# Altium PCB 2008E_SablierElectronique_JJE.PcbDoc (part 1 of 2) (continued)
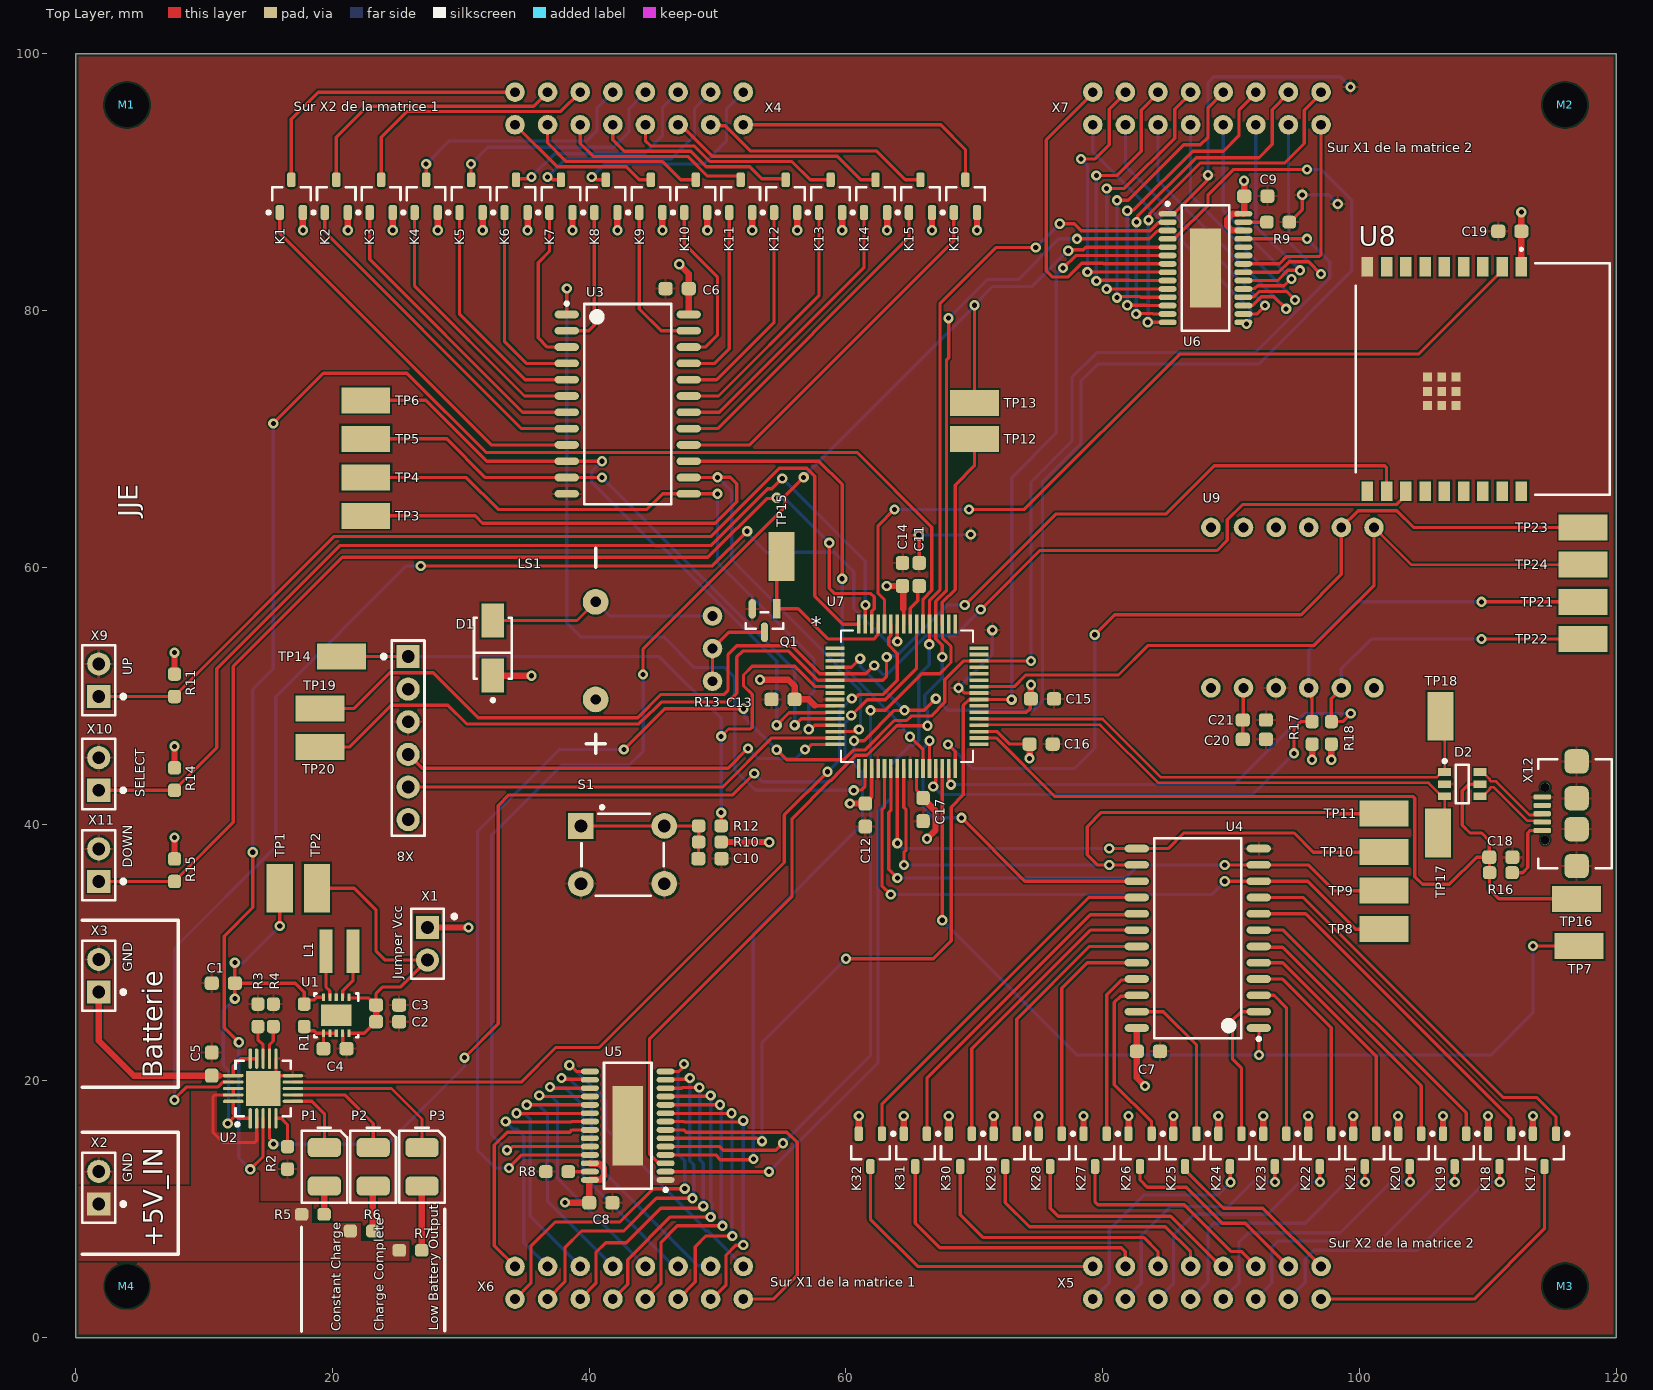
[diagram p0: Top Layer view]
## Footprints (in the part's own frame and the unit in brackets; to place one, negate y for a bottom-side part, rotate by r counter-clockwise, add the part's x,y. Pads: shape width x height; smd on the part's side, far side on the other; paste and mask are expansions set on the pad)
CAPC1608X08M [mm] "Chip Capacitor, 2-Leads, Body 1.60x0.80mm, IPC Low Density"
  rrect50% 1.1x1.05 smd: 1(-0.9,0) 2(0.9,0)
  body extent -0.85,-0.45 0.85,0.45, height 0.8
CMI-1295IC-0385T [mm] "12 mm, 3 Vdc, 85 dB, Through Hole, Driving Circuit, Magnetic Audio Indicator Buzzer"
  round 2 hole 0.8: 1(-3.8,0) 2(3.8,0)
  silkscreen extent -8,-0.75 8,0.75, body extent -6,-6 6,6, height 15
DRC0010J [mm] "TPS63000"
  rect 0.6x0.24 smd paste+0 mask+0.051: 1(-1.4,1) 2(-1.4,0.5) 3(-1.4,0) 4(-1.4,-0.5) 5(-1.4,-1) 6(1.4,-1) 7(1.4,-0.5) 8(1.4,0) 9(1.4,0.5) 10(1.4,1)
  rect 1.65x2.4 smd paste-1.187 mask+0.051: 11(0,0)
  silkscreen extent -1.7,-1.7 1.7,1.7, body extent -1.5,-1.5 1.5,1.5, height 1
ESP32_C3 [mm]
  rect 1.5x0.9 smd: 1(0,0) 2(0,-1.5) 3(0,-3) 4(0,-4.5) 5(0,-6) 6(0,-7.5) 7(0,-9) 8(0,-10.5) 9(0,-12) 10(17.5,-12) 11(17.5,-10.5) 12(17.5,-9) 13(17.5,-7.5) 14(17.5,-6) 15(17.5,-4.5) 16(17.5,-3) 17(17.5,-1.5) 18(17.5,0)
  rect 0.7x0.7 smd: 19(9.71,-6.2) 20(10.81,-6.2) 21(10.81,-5.1) 22(9.71,-5.1) 23(8.61,-5.1) 24(8.61,-6.2) 25(8.61,-7.3) 26(9.71,-7.3) 27(10.81,-7.3)
  silkscreen extent -1.45,-12.9 17.75,6.9
FP-318-08-IPC_B [mm]
  rect 1.524x0.578 smd paste+0 mask+0: 1(-0.91,0.95)
  rrect100% 1.524x0.578 smd paste+0 mask+0: 2(-0.91,-0.95) 3(0.91,0)
  silkscreen extent -0.65,-1.45 0.65,1.45, body extent -1.92,-1.7 1.92,1.7, height 0.25
FP-403AE-MFG [mm]
  rect 2.65x1.75 smd paste+0 mask+0: 1(-2.15,0) 2(2.15,0)
  silkscreen extent -2.37,-1.47 4.17,1.48, body extent -3.57,-1.58 3.57,1.58, height 0.25
IND_2.2UH [mm]
  rect 1x3.4 smd: 1(0,0) 2(2.1,0)
KEYSTONE_5019 [mm]
  rect 3.8x2.03 smd: 1(0,0)
  body extent -1.91,-1.01 1.91,1.01, height 2.29
LED-PLCC2 [mm]
  rrect50% 1.5x2.6 smd paste-100: 1(-1.5,0) 2(1.5,0)
  silkscreen extent -2.79,-1.78 3.05,1.78, body extent -1.75,-1.4 1.75,1.4, height 1.9
LIS3DH_KIT [mil]
  round 60 hole 30: 1(0,0) 2(0,-100) 3(0,-200) 4(0,-300) 5(0,-400) 6(0,-500) 7(492.13,-500) 8(492.13,-400) 9(492.13,-300) 10(492.13,-200) 11(492.13,-100) 12(492.13,0)
MECH-UHD340 [mm] "Unplated hole 3.4mm"
  round 0 hole 3.4 unplated: 1(0,0)
MOLEX_2X8 [mil]
  round 60 hole 30: 1(0,0) 2(100,0) 3(200,0) 4(300,0) 5(400,0) 6(500,0) 7(600,0) 8(700,0) 9(0,-100) 10(100,-100) 11(200,-100) 12(300,-100) 13(400,-100) 14(500,-100) 15(600,-100) 16(700,-100)
PIN-1x02-2.54 [mm] ".025 SQ Post Terminal Strip Assembly, 1x2 Pins, Vertical, 2.54mm Pitch, Male"
  rect 1.8x1.8 hole 1: 1(0,0)
  round 1.8 hole 1: 2(2.54,0)
  silkscreen extent -1.46,-1.27 4,2.25, body extent -1.27,-1.27 3.81,1.27, height 8.6
PIN-1x06-2.54 [mm] ".025 SQ Post Terminal Strip Assembly, 1x6 Pins, Vertical, 2.54mm Pitch, Male"
  rect 1.8x1.8 hole 1: 1(0,0)
  round 1.8 hole 1: 2(2.54,0) 3(5.08,0) 4(7.62,0) 5(10.16,0) 6(12.7,0)
  silkscreen extent -1.25,-2.05 13.97,1.27, body extent -1.27,-1.27 13.97,1.27, height 8.6
POT_200R [mil]
  round 60 hole 30: 1(0,0) 2(100,0) 3(200,0)
QFN50P400X400X100_HS-21N [mm] "MCP73871"
  oval 1.6x0.25 smd: 1(-2.325,1) 2(-2.325,0.5) 3(-2.325,0) 4(-2.325,-0.5) 5(-2.325,-1) 11(2.325,-1) 12(2.325,-0.5) 13(2.325,0) 14(2.325,0.5) 15(2.325,1)
  oval 0.25x1.6 smd: 6(-1,-2.325) 7(-0.5,-2.325) 8(0,-2.325) 9(0.5,-2.325) 10(1,-2.325) 16(1,2.325) 17(0.5,2.325) 18(0,2.325) 19(-0.5,2.325) 20(-1,2.325)
  rect 2.7x2.7 smd: EP(0,0)
  silkscreen extent -2.92,-2.15 2.15,2.15, body extent -2.01,-2.01 2.01,2.01, height 1
RESC1608X06M [mm] "Chip Resistor, 2-Leads, Body 1.60x0.80mm, IPC Low Density"
  rrect50% 1.05x1 smd: 1(-0.875,0) 2(0.875,0)
  body extent -0.85,-0.45 0.85,0.45, height 0.55
SOP127P1030X265-24N [mm] "74HC154"
  oval 1.9x0.6 smd: 1(-4.75,6.985) 2(-4.75,5.715) 3(-4.75,4.445) 4(-4.75,3.175) 5(-4.75,1.905) 6(-4.75,0.635) 7(-4.75,-0.635) 8(-4.75,-1.905) 9(-4.75,-3.175) 10(-4.75,-4.445) 11(-4.75,-5.715) 12(-4.75,-6.985) 13(4.75,-6.985) 14(4.75,-5.715) 15(4.75,-4.445) 16(4.75,-3.175) 17(4.75,-1.905) 18(4.75,-0.635) 19(4.75,0.635) 20(4.75,1.905) 21(4.75,3.175) 22(4.75,4.445) 23(4.75,5.715) 24(4.75,6.985)
  silkscreen extent -4.87,-7.8 3.4,7.96, body extent -5.15,-7.8 5.15,7.8, height 2.65
SOT90P240X110-3M [mm] "SOT23, 3-Leads, Body 2.90x2.40mm, Pitch 0.90mm, IPC Low Density"
  rrect50% 1.15x0.65 smd: 1(-1.275,0.9) 2(-1.275,-0.9) 3(1.275,0)
  silkscreen extent -1.4,-1.5 0.7,1.9, body extent -1.25,-1.5 1.25,1.5, height 1.1
SOT95P280X145-6N [mm] "SOT23, 6-Leads, Body 2.90x2.80mm, Pitch 0.95mm, IPC Medium Density"
  rect 1x0.6 smd: 1(-1.375,0.95) 2(-1.375,0) 3(-1.375,-0.95) 4(1.375,-0.95) 5(1.375,0) 6(1.375,0.95)
  silkscreen extent -1.5,-1.5 0.5,1.92, body extent -1.5,-1.5 1.5,1.5, height 1.45
TE_1825910-6 [mm] "Switch Tactile OFF (ON) SPST Round Button PC Pins 0.05A 24VDC 1.57N Thru-Hole Loose Piece"
  rect 2x2 hole 1 paste-2539.97 mask+0: 13(-3.25,2.25)
  round 2 hole 1 paste-2539.97 mask+0: 13(3.25,2.25) 14(-3.25,-2.25) 14(3.25,-2.25)
  silkscreen extent -3.2,-3.2 3.2,3.82, body extent -4.12,-3.24 4.12,3.24, height 0.25
TQFP64_10X10MC_MCH [mil]
  rect 58x11 smd paste+0 mask+0: 1(-221,147.64) 2(-221,127.95) 3(-221,108.27) 4(-221,88.58) 5(-221,68.9) 6(-221,49.21) 7(-221,29.53) 8(-221,9.84) 9(-221,-9.84) 10(-221,-29.53) 11(-221,-49.21) 12(-221,-68.9) 13(-221,-88.58) 14(-221,-108.27) 15(-221,-127.95) 16(-221,-147.64) 33(221,-147.64) 34(221,-127.95) 35(221,-108.27) 36(221,-88.58) 37(221,-68.9) 38(221,-49.21) 39(221,-29.53) 40(221,-9.84) 41(221,9.84) 42(221,29.53) 43(221,49.21) 44(221,68.9) 45(221,88.58) 46(221,108.27) 47(221,127.95) 48(221,147.64)
  rect 11x58 smd paste+0 mask+0: 17(-147.64,-221) 18(-127.95,-221) 19(-108.27,-221) 20(-88.58,-221) 21(-68.9,-221) 22(-49.21,-221) 23(-29.53,-221) 24(-9.84,-221) 25(9.84,-221) 26(29.53,-221) 27(49.21,-221) 28(68.9,-221) 29(88.58,-221) 30(108.27,-221) 31(127.95,-221) 32(147.64,-221) 49(147.64,221) 50(127.95,221) 51(108.27,221) 52(88.58,221) 53(68.9,221) 54(49.21,221) 55(29.53,221) 56(9.84,221) 57(-9.84,221) 58(-29.53,221) 59(-49.21,221) 60(-68.9,221) 61(-88.58,221) 62(-108.27,221) 63(-127.95,221) 64(-147.64,221)
  silkscreen extent -202,-202 202,202, body extent -236,-236 236,236, height 47
TSOP65P640X120_HS-29N [mm] "TLC5940"
  oval 1.4x0.45 smd: 1(-2.95,4.225) 2(-2.95,3.575) 3(-2.95,2.925) 4(-2.95,2.275) 5(-2.95,1.625) 6(-2.95,0.975) 7(-2.95,0.325) 8(-2.95,-0.325) 9(-2.95,-0.975) 10(-2.95,-1.625) 11(-2.95,-2.275) 12(-2.95,-2.925) 13(-2.95,-3.575) 14(-2.95,-4.225) 15(2.95,-4.225) 16(2.95,-3.575) 17(2.95,-2.925) 18(2.95,-2.275) 19(2.95,-1.625) 20(2.95,-0.975) 21(2.95,-0.325) 22(2.95,0.325) 23(2.95,0.975) 24(2.95,1.625) 25(2.95,2.275) 26(2.95,2.925) 27(2.95,3.575) 28(2.95,4.225)
  rect 2.4x6.17 smd: 29(0,0)
  silkscreen extent -3.08,-4.9 1.85,5.12, body extent -3.2,-4.9 3.2,4.9, height 1.2
WE_629105136821 [mm] "USB MICRO B Receptacle"
  round 0.7 hole 0.7 unplated: 0(-2.057,2.45) 0(2.057,2.45)
  rrect50% 0.4x1.35 smd: 1(-1.3,2.675) 2(-0.65,2.675) 3(0,2.675) 4(0.65,2.675) 5(1.3,2.675)
  rrect50% 1.9x1.9 smd paste-0.2: 6(4.075,0) 7(1.2,0) 8(-1.2,0) 9(-4.075,0)
  silkscreen extent -4.25,-2.75 4.25,3, body extent -4,-2.75 4,3.15, height 2.7

## Part data
C1 C2 C3 C11 C20: library part CMP-065-000003-2, "CAPC 10uF X5R 10V 20% 1608 (0603 INCH)", Dielectric=X5R, Manufacturer=TDK, Manufacturer Number=C1608X5R1A106M080AC, Supplier Part Number 1="FAB.0603_C 10uF", TemperatureRange="-55°C to +85°C", Tolerance=±20%, Voltage=10V, Category=Passives, IsStocked=1, PN=PN-131657, SubCategory="Condensateurs ceramique", Supplier 1=ETML, Supplier Price 1=0.0944
C4 C6 C7 C8 C9 C10 C12 C13 C14 C15 C16 C17 C18 C19 C21: library part CMP-065-000000-2, "CAPC 100nF X7R 50V 10% 1608 (0603 INCH)", Current=NULL, Dielectric=X7R, Manufacturer=TDK, Manufacturer Number=CGA3E2X7R1H104K080AA, Supplier Part Number 1="FAB.0603_C 100n", TemperatureRange="-55°C to +125°C", Tolerance=±10%, Voltage=50V, Category=Passives, IsStocked=1, PN=PN-338083, Power=NULL, SubCategory="Condensateurs ceramique", Supplier 1=ETML, Supplier Price 1=0.0100, TemperatureCoeff=NULL
C5: library part CMP-065-000006-2, "CAPC 4.7uF X5R 16V 10% 1608 (0603 INCH)", Dielectric=X5R, Manufacturer=TDK, Manufacturer Number=C1608X5R1C475K080AC, Supplier Part Number 1="FAB.0603_C 4.7uF", TemperatureRange="-55°C to +85°C", Tolerance=±10%, Voltage=16V, Category=Passives, IsStocked=1, PN=PN-938781, SubCategory="Condensateurs ceramique", Supplier 1=ETML, Supplier Price 1=0.0453
D1: library part CMP-2000-04943-2, "DIODE SCHOTTKY 40V 1A SMA", Forward Current=1A, Manufacturer="ON Semiconductor", Max Junction Temp=+125°C, Max Repetitive Reverse Voltage=40V, Max Surge Forward Current=40A, Package=403AE, Peak Reverse Current=0.2mA, Temperature="-65°C to +125°C", Temperature Range Low=-65°C, Automotive=No, Category=Diode, ComponentLink2Description=Datasheet, ComponentLink2URL=https://www.onsemi.com/pub/Collateral/SS19-D.PDF, Device Class L1="Discrete Semiconductors", Device Class L2=Diodes, Device Class L3="Schottky Diodes", Digikey Description="DIODE SCHOTTKY 40V 1A SMA", Height=2.5mm, Lead Free=Yes, Manufacturer Part Number=SS14, Mouser Description="Schottky Diodes & Rectifiers SMA 40V 1.0A", Octopart=https://octopart.com/ss14-on+semiconductor-29205033, RoHS=TRUE, Standoff Height=0.05mm, Temperature Range High=+125°C
D2: Supplier Part Number 1=511-USBLC6-2P6, Supplier 1=Mouser
K1 K2 K3 K4 K5 K6 K7 K8 K9 K10 K11 K12 K13 K14 K15 K16 K17 K18 K19 K20 K21 K22 K23 K24 K25 K26 K27 K28 K29 K30 K31 K32: library part CMP-056-000002-3, "TRAN DMG2307L P-Channel Enhancement MOSFET 30V 2.5A", Current=2.5A, Manufacturer="Diodes Incorporated", Power=760mW, Supplier Part Number 1=2061518, TemperatureRange="-55°C to +150°C", Voltage=30V, Category=DiscreteSemiconductors, IsStocked=0, Manufacturer Number=DMG2307L, PN=PN-317407, SubCategory=Transistors, Supplier 1=Farnell, Supplier Price 1=0.1060
LS1: "12 mm, 3 Vdc, 85 dB, Through Hole, Driving Circuit, Magnetic Audio Indicator Buzzer", Supplier Part Number 1=490-CMI-1295IC-0385T, Supplier 1=Mouser
M1 M2 M3 M4: library part CMP-063-000009-1, "Unplated Hole 3.4mm", Category=Others, IsStocked=False, PN=PN-491366, SubCategory=Mecaniques
P1 P2 P3: library part CMP-062-000009-1, "LED 2 mA 2.2V 625nm Red PLCC2", Current=2mA, Manufacturer=Vishay, Manufacturer Number=VLMT3100-GS08, Supplier Part Number 1=2251489, TemperatureRange="-40°C to +100°C", Voltage=2.2V, Category=Optoelectronics, IsStocked=True, PN=PN-800195, SubCategory=Leds, Supplier 1=Farnell, Supplier Price 1=0.179
Q1: library part CMP-07173-000101-1, "MOSFET N-CH 50V 220MA SOT-23", Case/Package=SOT-23, Continuous Drain Current (ID)=220mA, Drain to Source Breakdown Voltage=50V, Drain to Source Resistance=3.5R, Gate to Source Voltage (Vgs)=20V, Input Capacitance=27pF, Max Operating Temperature=150°C, Max Power Dissipation=360mW, Min Operating Temperature=-55°C, On-State Resistance=6R, Package Quantity=1, Threshold Voltage=1.3V, Contact Plating=Tin, Current Rating=220mA, Drain to Source Voltage (Vdss)=50V, Dual Supply Voltage=50V, Element Configuration=Single, Fall Time=9ns, Height=0.93mm, Lead Free="Lead Free", Length=2.92mm, Mount="Surface Mount", Nominal Vgs=1.3V, Number of Elements=1, Number of Pins=3, Packaging="Tape and Reel", Power Dissipation=360mW, Radiation Hardening=No, Rds On Max=3.5R, REACH SVHC="No SVHC", Rise Time=9ns, Termination=SMD/SMT, Turn-Off Delay Time=20ns, Turn-On Delay Time=2.5ns, Voltage Rating (DC)=50V, Weight=0.03g, Width=1.3mm
R1: library part CMP-066-000100-2, "RES 100ohm  ±1% 0.1W  1608 (0603 INCH)", Manufacturer=Yageo, Manufacturer Number=RC0603FR-07100RL, Power=0.1W, Supplier Part Number 1="FAB.0603_R 100R", TemperatureCoeff=±100ppm/°C, TemperatureRange="-55°C to 155°C", Tolerance=±1%, Voltage=75V, Category=Passives, IsStocked=1, PN=PN-739787, SubCategory="Resistances couche epaisse", Supplier 1=ETML, Supplier Price 1=0.0200
R2 R10 R11 R14 R15 R17 R18: library part CMP-066-000124-2, "RES 10kohm  ±1% 0.1W  1608 (0603 INCH)", Manufacturer=Yageo, Manufacturer Number=RC0603FR-0710KL, Power=0.1W, Supplier Part Number 1="FAB.0603_R 10k", TemperatureCoeff=±100ppm/°C, TemperatureRange="-55°C to 155°C", Tolerance=±1%, Voltage=75V, Category=Passives, IsStocked=1, PN=PN-896786, SubCategory="Resistances couche epaisse", Supplier 1=ETML, Supplier Price 1=0.0200
R3 R8 R9: library part CMP-066-000116-2, "RES 2.2kohm  ±1% 0.1W  1608 (0603 INCH)", Manufacturer=Yageo, Manufacturer Number=RC0603FR-072K2L, Power=0.1W, Supplier Part Number 1="FAB.0603_R 2k2", TemperatureCoeff=±100ppm/°C, TemperatureRange="-55°C to 155°C", Tolerance=±1%, Voltage=75V, Category=Passives, IsStocked=1, PN=PN-844453, SubCategory="Resistances couche epaisse", Supplier 1=ETML, Supplier Price 1=0.0200
R4: library part CMP-066-000125-2, "RES 12kohm  ±1% 0.1W  1608 (0603 INCH)", Manufacturer=Yageo, Manufacturer Number=RC0603FR-0712KL, Power=0.1W, Supplier Part Number 1="FAB.0603_R 12k", TemperatureCoeff=±100ppm/°C, TemperatureRange="-55°C to 155°C", Tolerance=±1%, Voltage=75V, Category=Passives, IsStocked=1, PN=PN-565828, SubCategory="Resistances couche epaisse", Supplier 1=ETML, Supplier Price 1=0.0200
R5 R6 R7: library part CMP-066-000108-2, "RES 470ohm  ±1% 0.1W  1608 (0603 INCH)", Manufacturer=Yageo, Manufacturer Number=RC0603FR-07470RL, Power=0.1W, Supplier Part Number 1="FAB.0603_R 470R", TemperatureCoeff=±100ppm/°C, TemperatureRange="-55°C to 155°C", Tolerance=±1%, Voltage=75V, Category=Passives, IsStocked=1, PN=PN-792120, SubCategory="Resistances couche epaisse", Supplier 1=ETML, Supplier Price 1=0.0200
R12 R16: library part CMP-066-000112-2, "RES 1.0kohm  ±1% 0.1W  1608 (0603 INCH)", Manufacturer=Yageo, Manufacturer Number=RC0603FR-071KL, Power=0.1W, Supplier Part Number 1="FAB.0603_R 1k", TemperatureCoeff=±100ppm/°C, TemperatureRange="-55°C to 155°C", Tolerance=±1%, Voltage=75V, Category=Passives, IsStocked=1, PN=PN-368287, SubCategory="Resistances couche epaisse", Supplier 1=ETML, Supplier Price 1=0.0100
R13: library part Pot_200R
S1: library part CMP-058-000005-2, "SW 600X600X500 24V 50mA THT", Current=50mA, Manufacturer="TE Connectivity", Manufacturer Number=1825910-6, Supplier Part Number 1=135-66-547, TemperatureRange="-35°C to +85 °C", Voltage=24V, Category=Electromechanical, IsStocked=True, PN=PN-638027, SubCategory=Commutateurs, Supplier 1="Distrelec AG", Supplier Price 1=0.1642
TP7: library part TestPoint
U1: Supplier Part Number 1=296-32517-1-ND, Supplier 1=DigiKey
U3 U4: Supplier Part Number 1=296-24352-1-ND, Supplier 1=DigiKey
X1 X2 X3 X9 X10 X11: library part CMP-055-000006-1, "PIN HEADER 2.54 1x02", Current=3A, Manufacturer="Würth Electronik", Manufacturer Number=61300211121, Supplier Part Number 1=MAG.283.897, TemperatureRange="-40°C to +105°C", Voltage=250V, Category=Connectors, IsStocked=True, PN=PN-573903, SubCategory="Pin Header", Supplier 1=ETML, Supplier Price 1=0.04
X4 X5 X6 X7: library part "Mâle DIN 8 x 8"
X8: library part CMP-055-000011-1, "PIN HEADER 2.54 1x06", Current=3A, Manufacturer="Würth Electronik", Manufacturer Number=61300411121, Supplier Part Number 1=MAG.283.897, TemperatureRange="-40°C to +105°C", Voltage=250V, Category=Connectors, IsStocked=True, PN=PN-823777, SubCategory="Pin Header", Supplier 1=ETML, Supplier Price 1=1.2
X12: library part CMP-054-000011-1, "USB MICRO 5P Horizontal SMT", Manufacturer="Würth Electronik", Supplier Part Number 1=MAG.246.110, TemperatureRange="-40°C to +85°C", Category=Connectors, IsStocked=True, Manufacturer Number=629105136821, PN=PN-869488, SubCategory=USB, Supplier 1=ETML, Supplier Price 1=1.48

## Via types
v1: diameter 0.8, hole 0.4, Top Layer to Bottom Layer, 209 vias

## Nets (pads, with @x,y where several pads share a name; then routed paths per layer and width w, separated by ;. In a path a pad name is that pad's centre, name@x,y a point inside that pad or via, vN(x,y) a via of type N, cw(c..) or ccw(c..) an arc to the next point about the centre after c; other vN are vias at no path point)
+5V: R5.1 R6.1 R7.1 U2.2 U2.18 U2.19 X2.1 | length 10.4
  Top Layer w0.254: U2.18@12.275,19.4 U2.19@12.275,18.9 12.273,18.898 10.849,18.898 10.7,18.749 10.7,16 11.5,15.2 13.951,15.2 14.1,15.349 U2.2@14.1,17.075
AL1: TP6.1 U3.10 U7.11 | length 52.4
  Top Layer w0.254: TP6.1@22.6,73 27.275,73 32.02,68.255 U3.10@38.25,68.255 v1(41,68.255) ; v1(54.6,47.7) 55.561,48.661 58.422,48.661 58.448,48.687 59.124,48.687 U7.11@59.137,48.7
  Bottom Layer w0.254: v1(41,68.255) 40.2,67.455 40.2,66.6 45.185,61.615 45.655,61.615 54.6,52.671 v1(54.6,47.7)
AL2: TP5.1 U3.11 U7.12 | length 48.5
  Top Layer w0.254: TP5.1@22.6,70 28.9,70 31.915,66.985 U3.11@38.25,66.985 v1(41,66.985) ; v1(56,47.7) 56.5,48.2 U7.12@59.137,48.2
  Bottom Layer w0.254: v1(41,66.985) 56,51.985 v1(56,47.7)
AL3: TP4.1 U3.13 U7.13 | length 52.7
  Top Layer w0.254: TP4.1@22.6,66.985 30.43,66.985 32.915,64.5 44.5,64.5 45.715,65.715 U3.13@47.75,65.715 v1(49.985,65.715) ; v1(57.095,47.378) 57.243,47.378 57.565,47.7 U7.13@59.137,47.7
  Bottom Layer w0.254: v1(49.985,65.715) 49.985,60.391 57.5,52.876 57.5,50.312 57.095,49.907 v1(57.095,47.378)
AL4: TP3.1 U3.14 U7.14 | length 61.4
  Top Layer w0.254: TP3.1@22.6,64 31.115,64 31.688,63.427 49.827,63.427 51.5,65.1 51.5,66.5 51,67 v1(50,67) 49.985,66.985 U3.14@47.75,66.985 ; U7.14@59.137,47.2 60.699,47.2 60.852,47.353 v1(61,47.353)
  Bottom Layer w0.254: v1(50,67) 51.1,65.9 51.1,60.6 59.295,52.405 59.295,52.181 61.136,50.341 61.136,47.775 61.104,47.744 61.104,47.458 v1(61,47.353)
BL1: TP8.1 U4.10 U7.21 | length 50.6
  Top Layer w0.254: U7.21@63,44.337 63,41.322 62.8,41.122 62.8,35.2 v1(63.488,34.512) ; v1(89.5,35.545) U4.10@92.15,35.545 95.955,35.545 99.69,31.81 TP8.1@101.9,31.81
  Bottom Layer w0.254: v1(63.488,34.512) 88.512,34.512 89.5,35.5 v1(89.5,35.545)
BL2: TP9.1 U4.11 U7.22 | length 48
  Top Layer w0.254: U7.22@63.5,44.337 63.5,41.062 63.322,40.884 63.322,36.478 v1(64,35.8) ; v1(89.5,36.815) U4.11@92.15,36.815 96,36.815 98.01,34.805 TP9.1@101.9,34.805
  Bottom Layer w0.254: v1(64,35.8) 81.8,35.8 82.815,36.815 v1(89.5,36.815)
BL3: TP10.1 U4.13 U7.23 | length 45
  Top Layer w0.254: v1(64,38.5) U7.23@64,44.337 ; v1(80.5,38.085) U4.13@82.65,38.085 85.085,38.085 86.3,39.3 94.9,39.3 96.395,37.805 TP10.1@101.9,37.805
  Bottom Layer w0.254: v1(64,38.5) 64.415,38.085 v1(80.5,38.085)
BL4: TP11.1 U4.14 U7.24 | length 53.6
  Top Layer w0.254: U7.24@64.5,44.337 64.5,41.3 64.678,41.122 64.678,37.953 64.515,37.79 v1(64.515,36.815) ; U4.14@82.65,36.815 v1(80.5,36.815) 79.585,36.815 78.795,37.605 78.795,39.797 79.898,40.9 97.437,40.9 97.532,40.805 TP11.1@101.9,40.805
  Bottom Layer w0.254: v1(64.515,36.815) v1(80.5,36.815)
BLANK_TLC: U5.2 U6.2 U7.53 | length 102.1
  Top Layer w0.254: U5.2@45.95,12.925 v1(54,12.925) ; v1(66.489,53.991) 66.494,53.996 66.494,55.558 U7.53@66.5,55.563 66.5,57.405 67.312,58.217 67.312,80.529 71.676,84.892 v1(74.776,84.892) ; v1(76.648,86.748) 77.774,86.748 78.325,86.197 83.689,86.197 84.329,86.837 85.013,86.837 U6.2@85.05,86.875
  Bottom Layer w0.254: v1(54,12.925) 62.5,21.425 62.5,41.029 63.488,42.017 63.488,44.608 64.997,46.117 65.266,46.117 65.663,46.514 65.663,51.58 66.489,52.405 v1(66.489,53.991) ; v1(74.776,84.892) 74.784,84.892 76.64,86.748 v1(76.648,86.748)
Buzzer: Q1.1 TP15.1 U7.61 | length 14.1
  Top Layer w0.254: TP15.1@54.975,60.843 54.6,60.468 Q1.1@54.6,56.76 56.271,56.76 58.631,54.4 62.151,54.4 62.487,54.736 62.487,55.551 U7.61@62.5,55.563
CS_Accel: TP24.1 U7.42 U9.1 | length 56
  Top Layer w0.2: U9.1@101.12,63.1 104.02,60.2 TP24.1@117.4,60.2
  Top Layer w0.254: U7.42@70.363,50.7 73.1,50.7 74.004,51.604 81.222,51.604 83.526,53.908 96.476,53.908 101.12,58.552 U9.1@101.12,63.1
DOWN: R15.1 U7.62 X11.1 | length 87.4
  Top Layer w0.254: X11.1@1.8,35.525 R15.1@7.7,35.525 7.7,35.55 12.273,40.123 12.273,52.273 20.778,60.778 49.248,60.778 53.819,65.349 54.546,65.349 v1(54.6,65.403) ; v1(58.7,61.899) 58.7,58.373 59.124,57.949 61.93,57.949 62.194,57.685 62.194,56.77 62,56.576 U7.62@62,55.563
  Bottom Layer w0.254: v1(54.6,65.403) 54.704,65.298 55.3,65.298 v1(58.7,61.899)
GND: C1.1 C2.1 C3.1 C4.1 C5.1 C6.1 C7.1 C8.1 C9.1 C10.1 C11.1 C12.1 C13.1 C14.1 C15.1 C16.1 C17.1 C18.2 C19.1 C20.2 C21.2 D2.2 Q1.2 R2.1 R3.1 R4.1 R8.1 R9.1 S1.14 U1.3 U1.9 U2.10 U2.11 U2.EP U3.12 U4.12 U5.1 U5.29 U6.1 U6.29 U7.9 U7.20 U7.25 U7.41 U8.9 U8.19 U8.20 U8.21 U8.22 U8.23 U8.24 U8.25 U8.26 U8.27 U9.9 X2.2 X3.2 X8.3 X9.2 X10.2 X11.2 X12.5 X12.6 X12.7 X12.8 X12.9 | length 46.6
  Top Layer w0.254: U2.11@15.6,21.725 15.6,20.4 U2.10@16.925,20.4 ; U1.9@20.8,23.7 20.807,23.693 20.807,22.793 C4.1@21.1,22.5 ; v1(65.663,62.488) 65.7,62.451 C11.1@65.7,60.335 ; v1(68.765,50.6) 68.846,50.6 69.246,50.2 U7.41@70.363,50.2 ; U6.1@85.05,87.525 85.525,87.525 88.096,90.096 88.096,90.429 v1(88.2,90.534) ; R9.1@94.533,86.875 94.558,86.875 95.54,87.857 v1(95.54,89)
  Bottom Layer w0.254: v1(65.663,62.488) 65.689,62.514 69.691,62.514 v1(69.717,62.539) ; v1(68.765,50.6) 71.4,53.235 v1(71.4,55.1) ; v1(88.2,90.534) 88.2,97.751 88.649,98.2 98.5,98.2 v1(99.3,97.4) ; v1(95.54,89) 97.59,89 v1(98.3,88.29)
GSCLK_TLC: U5.25 U6.25 U7.46 | length 143.3
  Top Layer w0.254: v1(33.747,13.213) 34.759,14.225 U5.25@40.05,14.225 ; v1(42.7,45.796) 45.882,48.978 v1(52.013,48.978) ; v1(54.6,45.78) 55.38,45 59.821,45 60.577,45.756 61.467,45.756 63.771,48.06 64.72,48.06 65.07,48.409 66.625,48.409 67.69,49.474 67.69,51.244 69.132,52.687 70.351,52.687 U7.46@70.363,52.7 v1(74.41,52.7) ; U6.25@90.95,85.575 v1(95.897,85.575)
  Bottom Layer w0.254: v1(33.747,13.213) 32.687,13.213 31.3,14.6 31.3,39.446 37.65,45.796 v1(42.7,45.796) ; v1(52.013,48.978) 52.117,48.874 52.117,48.316 52.363,48.07 52.363,48.017 v1(54.6,45.78) ; v1(74.41,52.7) 74.41,66.619 77.6,69.809 77.6,74.8 79.519,76.719 91.856,76.719 97.671,82.534 97.671,83.801 v1(95.897,85.575)
InAL0: K1.1 U3.9 | length 30.8
  Top Layer w0.254: K1.1@15.9,87.625 15.9,85.994 32.369,69.525 U3.9@38.25,69.525
InAL1: K2.1 U3.8 | length 26.7
  Top Layer w0.254: K2.1@19.4,87.625 19.4,86.121 34.726,70.795 U3.8@38.25,70.795
InAL2: K3.1 U3.7 | length 23.9
  Top Layer w0.254: K3.1@22.9,87.625 22.9,83.969 34.804,72.065 U3.7@38.25,72.065
InAL3: K4.1 U3.6 | length 21.1
  Top Layer w0.254: K4.1@26.4,87.625 26.4,81.894 34.959,73.335 U3.6@38.25,73.335
InAL4: K5.1 U3.5 | length 18.4
  Top Layer w0.254: K5.1@29.9,87.625 29.9,79.707 35.002,74.605 U3.5@38.25,74.605
InAL5: K6.1 U3.4 | length 15.6
  Top Layer w0.254: K6.1@33.4,87.625 33.4,77.585 35.11,75.875 U3.4@38.25,75.875
InAL6: K7.1 U3.3 | length 12.6
  Top Layer w0.254: K7.1@36.9,87.625 36.9,84.591 36.029,83.72 36.029,77.862 36.747,77.145 U3.3@38.25,77.145
InAL7: K8.1 U3.2 | length 11.1
  Top Layer w0.254: U3.2@38.25,78.415 39.975,78.415 40.4,78.84 K8.1@40.4,87.625
InAL8: K9.1 U3.23 | length 12.1
  Top Layer w0.254: K9.1@43.9,87.625 43.9,80.11 45.595,78.415 U3.23@47.75,78.415
InAL9: K10.1 U3.22 | length 13.2
  Top Layer w0.254: K10.1@47.4,87.625 47.4,85.191 49.985,82.606 49.985,78.075 49.055,77.145 U3.22@47.75,77.145
InAL10: K11.1 U3.21 | length 14.2
  Top Layer w0.254: U3.21@47.75,75.875 49.772,75.875 50.9,77.003 K11.1@50.9,87.625
InAL11: K12.1 U3.20 | length 17
  Top Layer w0.254: U3.20@47.75,74.605 49.92,74.605 54.4,79.085 K12.1@54.4,87.625
InAL12: K13.1 U3.19 | length 19.9
  Top Layer w0.254: U3.19@47.75,73.335 50.071,73.335 57.9,81.164 K13.1@57.9,87.625
InAL13: K14.1 U3.18 | length 22.6
  Top Layer w0.254: U3.18@47.75,72.065 50.132,72.065 61.4,83.333 K14.1@61.4,87.625
InAL14: K15.1 U3.17 | length 25.2
  Top Layer w0.254: U3.17@47.75,70.795 49.995,70.795 64.9,85.7 K15.1@64.9,87.625
InAL15: K16.1 U3.16 | length 29.4
  Top Layer w0.254: U3.16@47.75,69.525 52.496,69.525 68.4,85.429 K16.1@68.4,87.625
InBL0: K17.1 U4.9 | length 31.5
  Top Layer w0.254: U4.9@92.15,34.275 95.625,34.275 111.2,18.7 113.8,18.7 115.3,17.2 K17.1@115.3,15.875
InBL1: K18.1 U4.8 | length 27.4
  Top Layer w0.254: U4.8@92.15,33.005 95.795,33.005 111.8,17 K18.1@111.8,15.875
InBL2: K19.1 U4.7 | length 23.7
  Top Layer w0.254: U4.7@92.15,31.735 94.065,31.735 108.3,17.5 K19.1@108.3,15.875
InBL3: K20.1 U4.6 | length 20.9
  Top Layer w0.254: U4.6@92.15,30.465 92.215,30.4 94,30.4 104.8,19.6 K20.1@104.8,15.875
InBL4: K21.1 U4.5 | length 18.2
  Top Layer w0.254: U4.5@92.15,29.195 94.005,29.195 101.3,21.9 K21.1@101.3,15.875
InBL5: K22.1 U4.4 | length 15.5
  Top Layer w0.254: U4.4@92.15,27.925 94.004,27.925 97.8,24.129 K22.1@97.8,15.875
InBL6: K23.1 U4.3 | length 12.4
  Top Layer w0.254: U4.3@92.15,26.655 93.334,26.655 94.3,25.689 K23.1@94.3,15.875
InBL7: K24.1 U4.2 | length 11.4
  Top Layer w0.254: K24.1@90.8,15.875 90.8,21 90.1,21.7 90.1,24.7 90.785,25.385 U4.2@92.15,25.385
InBL8: K25.1 U4.23 | length 12.6
  Top Layer w0.254: U4.23@82.65,25.385 84.715,25.385 87.3,22.8 K25.1@87.3,15.875
InBL9: K26.1 U4.22 | length 13.4
  Top Layer w0.254: U4.22@82.65,26.655 82.584,26.589 81.389,26.589 80.9,26.1 80.9,19.7 83.8,16.8 K26.1@83.8,15.875
InBL10: K27.1 U4.21 | length 13.7
  Top Layer w0.254: K27.1@80.3,15.875 80.3,26.7 81.2,27.6 81.459,27.859 82.584,27.859 U4.21@82.65,27.925
InBL11: K28.1 U4.20 | length 18
  Top Layer w0.254: K28.1@76.8,15.875 76.8,27.2 78.795,29.195 U4.20@82.65,29.195
InBL12: K29.1 U4.19 | length 20.6
  Top Layer w0.254: K29.1@73.3,15.875 73.3,24.8 78.965,30.465 U4.19@82.65,30.465
InBL13: K30.1 U4.18 | length 23.3
  Top Layer w0.254: K30.1@69.8,15.875 69.8,22.5 79.035,31.735 U4.18@82.65,31.735
InBL14: K31.1 U4.17 | length 26
  Top Layer w0.254: K31.1@66.3,15.875 66.3,20.2 79.039,32.939 82.584,32.939 U4.17@82.65,33.005
InBL15: K32.1 U4.16 | length 28.8
  Top Layer w0.254: K32.1@62.8,15.875 62.8,18.174 78.901,34.275 U4.16@82.65,34.275
MCLR: R12.1 TP14.1 U7.7 X8.1 | length 55.1
  Top Layer w0.254: TP14.1@20.7,53.04 X8.1@25.9,53.04 ; R12.1@50.275,39.85 v1(50.275,40.884) ; v1(50.275,46.827) 50.847,47.399 52.542,47.399 52.691,47.548 52.691,50.092 52.018,50.765 52.018,51.604 52.704,52.291 55.999,52.291 57.59,50.7 U7.7@59.137,50.7
  Bottom Layer w0.254: X8.1@25.9,53.04 45.46,53.04 50.275,48.225 v1(50.275,46.827) v1(50.275,40.884)
NetC4_2: C4.2 R1.1 U1.6 U1.7 U1.8 | length 3.9
  Top Layer w0.254: R1.1@17.8,24.225 18.122,23.903 18.582,23.903 18.785,23.7 U1.6@19.3,23.7 ; C4.2@19.3,22.5 U1.6@19.3,23.7 ; U1.8@20.3,23.7 U1.7@19.8,23.7 U1.6@19.3,23.7
NetC5_2: C5.2 U2.14 U2.15 U2.16 X3.1 | length 18.2
  Top Layer w0.254: 11.2,20.4 U2.16@12.275,20.4 12.275,21.15 12.85,21.725 U2.15@13.6,21.725 U2.14@14.1,21.725
  Top Layer w0.5: X3.1@1.808,26.9 X3.1@1.8,26.908 1.8,23.125 4.525,20.4 9.7,20.4 11.2,20.4
NetC10_2: C10.2 R10.1 R12.2 S1.13 | length 11.7
  Top Layer w0.254: S1.13@39.35,39.85 S1.13@45.85,39.85 R12.2@48.525,39.85 R10.1@48.525,38.6 48.513,38.587 48.513,37.313 C10.2@48.5,37.3
NetC11_2: C11.2 U7.56 | length 3.3
  Top Layer w0.254: U7.56@65,55.563 65,56.791 65.595,57.386 65.595,58.43 C11.2@65.7,58.535
NetD1_1: D1.1 LS1.2 R13.1 | length 18.4
  Top Layer w0.254: D1.1@32.5,55.85 39.05,55.85 LS1.2@40.5,57.3 LS1.2@40.739,57.3
  Bottom Layer w0.254: LS1.2@40.5,57.3 41.6,56.2 R13.1@49.6,56.2
NetL1_1: L1.1 U1.4 | length 3.7
  Top Layer w0.254: L1.1@19.5,30.1 19.5,27.3 19.8,27 U1.4@19.8,26.5
NetL1_2: L1.2 U1.2 | length 3.9
  Top Layer w0.254: U1.2@20.8,26.5 20.807,26.507 20.807,27.007 21.6,27.8 L1.2@21.6,30.1
NetP1_1: P1.1 R5.2 | length 2.2
  Top Layer w0.5: R5.2@19.35,9.6 19.35,11.775 P1.1@19.375,11.8
NetP1_2: P1.2 U2.6 | length 5.5
  Top Layer w0.254: U2.6@16.925,18.4 18.4,18.4 19.375,17.425 P1.2@19.375,14.8
NetP2_1: P2.1 R6.2 | length 3.5
  Top Layer w0.5: R6.2@23.15,8.3 23.15,11.775 P2.1@23.175,11.8
NetP2_2: P2.2 U2.7 | length 9
  Top Layer w0.254: U2.7@16.925,18.9 20.95,18.9 23.175,16.675 P2.2@23.175,14.8
NetP3_1: P3.1 R7.2 | length 5
  Top Layer w0.5: R7.2@26.95,6.8 26.95,11.775 P3.1@26.975,11.8
NetP3_2: P3.2 U2.8 | length 13.3
  Top Layer w0.254: U2.8@16.925,19.4 24.6,19.4 26.975,17.025 P3.2@26.975,14.8
NetQ1_3: Q1.3 R13.2 R13.3 | length 7.1
  Top Layer w0.254: R13.3@49.6,51.12 R13.2@49.6,53.66 50.88,54.94 Q1.3@53.65,54.94
NetR2_2: R2.2 U2.5 | length 2.8
  Top Layer w0.254: U2.5@15.6,17.075 16,17.075 16.5,16.575 R2.2@16.5,14.875
NetR3_2: R3.2 U2.13 | length 2.7
  Top Layer w0.254: R3.2@14.2,24.225 14.2,23.2 14.6,22.8 U2.13@14.6,21.725
NetR4_2: R4.2 U2.12 | length 2.6
  Top Layer w0.254: U2.12@15.1,21.725 15.1,22.8 15.4,23.1 R4.2@15.4,24.225
NetR8_2: R8.2 U5.27 | length 1.7
  Top Layer w0.254: R8.2@38.375,12.925 40,12.925 40.025,12.9 U5.27@40.05,12.925